# Altium PCB CL-HC-M-V2.1gerber.PcbDoc (part 13 of 16) (continued)
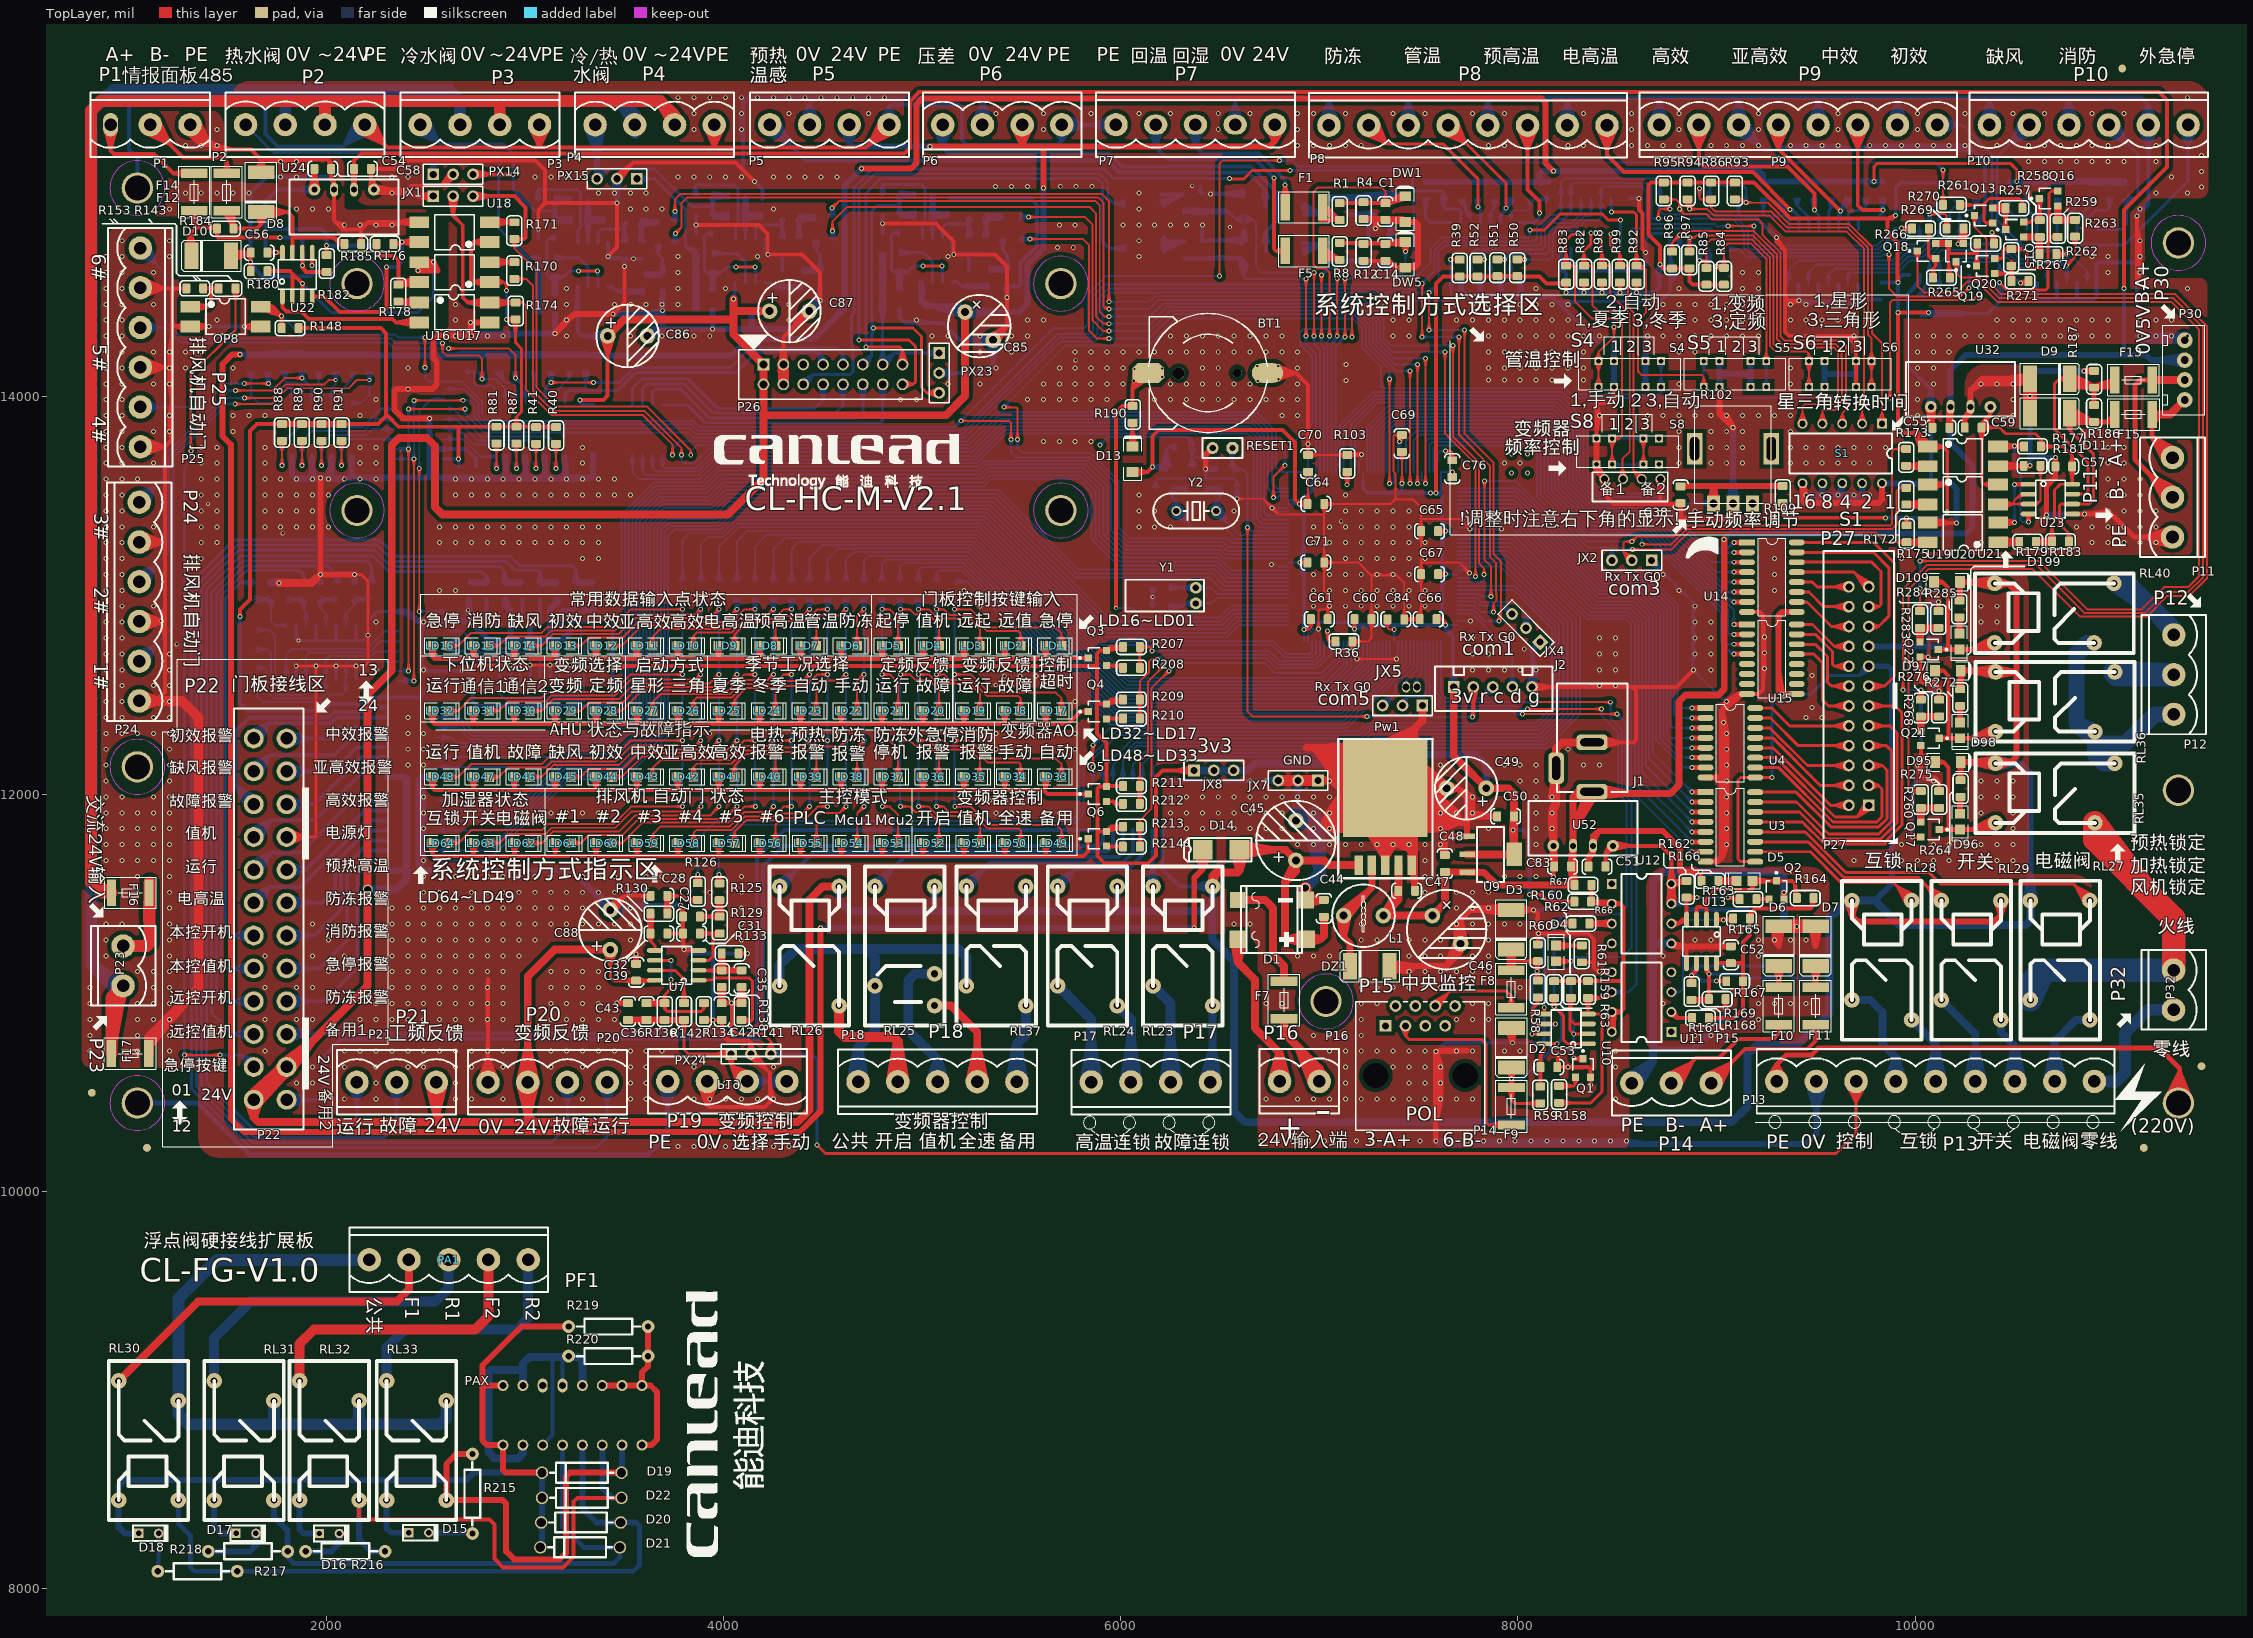
[diagram p0: TopLayer view]
## Nets (pads, with @x,y where several pads share a name; then routed paths per layer and width w, separated by ;. In a path a pad name is that pad's centre, name@x,y a point inside that pad or via, vN(x,y) a via of type N, cw(c..) or ccw(c..) an arc to the next point about the centre after c; other vN are vias at no path point) (continued)
NetR119_1: R119.1 U1.1 | length 705.5
  BottomLayer w15: R119.1@3055.25,14995.93 3063.51,15039.36 ; R119.1@3067.74,14990.36 3063.51,14994.59 3063.51,15039.36 ; R119.1@3067.74,14995.36 3063.51,15039.36 ; R119.1@3079.89,14998.3 3063.51,15039.36 ; U1.1@3267.74,14773.68 3267.74,14839.44 ; U1.1@3267.74,14801.68 3267.74,14839.44 ; 3063.51,15039.36 3068.82,15044.68 3262.68,15044.68 3279.66,15027.69 3279.66,14851.36 3267.74,14839.44
NetR120_1: R120.1 U1.7 | length 472.3
  BottomLayer w15: R120.1@3152.74,14700.17 3273.12,14700.17 3317.74,14655.54 U1.7@3317.74,14553.68 ; R120.1@3153.94,14687.73 3217.74,14700.17 R120.1@3153.94,14712.61 ; U1.7@3317.74,14581.68 3317.74,14638.68
NetR121_1: R121.1 U5.1 | length 705.5
  BottomLayer w15: R121.1@3848.67,15016.79 3856.92,15060.22 ; R121.1@3861.15,15011.22 3856.92,15015.45 3856.92,15060.22 ; R121.1@3861.15,15016.22 3856.92,15060.22 ; R121.1@3873.3,15019.16 3856.92,15060.22 ; U5.1@4061.15,14794.54 4061.15,14860.3 ; U5.1@4061.15,14822.54 4061.15,14860.3 ; 3856.92,15060.22 3862.23,15065.54 4056.09,15065.54 4073.07,15048.55 4073.07,14872.22 4061.15,14860.3
NetR122_1: R122.1 U5.7 | length 472.3
  BottomLayer w15: R122.1@3946.15,14721.03 4066.53,14721.03 4111.15,14676.4 U5.7@4111.15,14574.54 ; R122.1@3947.36,14708.59 4011.15,14721.03 R122.1@3947.36,14733.47 ; U5.7@4111.15,14602.54 4111.15,14659.54
NetR139_1: R139.1 U6.1 | length 705.5
  BottomLayer w15: R139.1@4789.38,15021.5 4797.63,15064.94 ; R139.1@4801.86,15015.93 4797.63,15020.16 4797.63,15064.94 ; R139.1@4801.86,15020.93 4797.63,15064.94 ; R139.1@4814.01,15023.87 4797.63,15064.94 ; U6.1@5001.86,14799.25 5001.86,14865.01 ; U6.1@5001.86,14827.25 5001.86,14865.01 ; 4797.63,15064.94 4802.94,15070.25 4996.8,15070.25 5013.78,15053.26 5013.78,14876.93 5001.86,14865.01
NetR140_1: R140.1 U6.7 | length 472.3
  BottomLayer w15: R140.1@4886.86,14725.74 5007.24,14725.74 5051.86,14681.11 U6.7@5051.86,14579.25 ; R140.1@4888.07,14713.3 4951.86,14725.74 R140.1@4888.07,14738.18 ; U6.7@5051.86,14607.25 5051.86,14664.25
NetR141_1: R141.1 U7.1 | length 705.5
  TopLayer w15: U7.1@3874.97,11063.14 3940.73,11063.14 ; U7.1@3902.97,11063.14 3940.73,11063.14 ; R141.1@4091.65,10863.14 4095.88,10858.9 4140.66,10858.9 ; R141.1@4096.65,10863.14 4140.66,10858.9 ; R141.1@4097.22,10850.65 4140.66,10858.9 ; R141.1@4099.59,10875.29 4140.66,10858.9 ; 3940.73,11063.14 3952.65,11075.06 4128.98,11075.06 4145.97,11058.07 4145.97,10864.22 4140.66,10858.9
NetR142_1: R142.1 U7.7 | length 472.3
  TopLayer w15: U7.7@3654.97,11113.14 3756.84,11113.14 3801.46,11068.51 R142.1@3801.46,10948.14 ; U7.7@3682.97,11113.14 3739.97,11113.14 ; R142.1@3789.02,10949.34 3801.46,11013.14 R142.1@3813.9,10949.34
NetR160_1: R160.1 U12.3 | length 500
  TopLayer w20: R160.1@8359.67,11343.36 8440.48,11338.87 ; R160.1@8359.67,11353.36 8440.48,11357.84 ; U12.3@8471.05,11333.42 8387.38,11348.36 ; U12.3@8471.05,11363.3 8387.38,11348.36 ; U12.3@8472.38,11348.36 R160.1@8359.67,11348.36 ; R160.1@8359.67,11348.36 8387.38,11348.36 ; R160.1@8359.67,11348.36 8387.38,11348.36
NetR161_2: R161.2 U11.2 | length 201.8
  TopLayer w20: U11.2@8763.78,10891.06 8802.74,10872.99 ; U11.2@8772.38,10903.36 8802.74,10872.99 ; U11.2@8784.67,10911.95 8802.74,10872.99 ; R161.2@8875.76,10872.99 8802.74,10872.99
NetR162_2: R162.2 R163.2 U12.6 U13.4 | length 1113.2
  TopLayer w15: R162.2@8849.03,11478.66 v1(8901.93,11478.66) ; R162.2@8854.03,11478.66 v1(8901.93,11478.66) ; R162.2@8855.66,11491.05 v1(8901.93,11478.66) ; R163.2@9113.49,11458.9 9085.41,11471.14 ; R163.2@9113.49,11483.38 9085.41,11471.14 ; R163.2@9116.04,11471.14 9085.41,11471.14 ; v1(8901.93,11478.66) 8855.66,11466.27 v1(8901.93,11478.66) ; v1(9058.44,11478.65) 9077.91,11478.65 ; v1(9058.44,11478.65) 9085.41,11471.14 ; v1(9058.44,11478.65) 9077.91,11478.65 ; 9077.91,11478.65 9085.41,11471.14
  TopLayer w20: U12.6@8772.38,11348.36 8809.03,11348.36 ; U12.6@8775.44,11333.67 8809.03,11348.36 ; U12.6@8775.44,11363.04 8809.03,11348.36 ; U13.4@8849.03,11396.36 R162.2@8849.03,11468.36 ; U13.4@8849.03,11398.66 R162.2@8849.03,11478.66 U13.4@8849.03,11368.36 ; 8809.03,11348.36 8829.03,11368.36 ; 8809.03,11348.36 U13.4@8849.03,11368.36 ; 8829.03,11368.36 U13.4@8849.03,11368.36 ; 8829.03,11368.36 U13.4@8849.03,11368.36
  BottomLayer w15: 8959.43,11478.65 v1(8901.93,11478.66) v1(9058.44,11478.65)
NetR165_1: R165.1 U11.3 U13.1 | length 1170.8
  TopLayer w20: v1(9035.81,11367.31) R165.1@9077.07,11368.36 ; v1(9035.81,11367.31) U13.1@8999.04,11368.36 R165.1@9077.07,11368.36 ; v1(9035.81,11367.31) R165.1@9082.38,11373.66 ; v1(9035.81,11367.31) 9001.83,11368.36 R165.1@9082.38,11373.66 ; R165.1@9077.07,11368.36 R165.1@9082.38,11373.66
  BottomLayer w10: U11.3@8772.38,11003.36 8812.51,11003.36 ; U11.3@8773.62,10993.44 8812.51,11003.36 ; U11.3@8773.62,11013.28 8812.51,11003.36 ; U11.3@8777.36,10983.99 8812.51,11003.36 ; U11.3@8777.36,11022.73 8812.51,11003.36 ; v1@9035.15,11359.84 8993.31,11367.31 v1@9035.15,11374.78 ; v1(9035.81,11367.31) 8859.27,11367.31 8831.6,11339.64 8831.6,11022.45 8812.51,11003.36
NetR170_1: R170.1 U17.2 | length 741.4
  TopLayer w20: U17.2@2823.29,14677.96 2946.98,14677.96 R170.1@2947.38,14678.36 ; U17.2@2845.03,14697.38 R170.1@2932.5,14678.31 ; U17.2@2845.11,14658.55 R170.1@2932.5,14677.96 ; U17.2@2845.11,14697.37 R170.1@2932.5,14677.96 ; U17.2@2845.18,14658.56 R170.1@2932.5,14678.31 ; U17.2@2862.37,14677.96 R170.1@2942.38,14678.36 ; R170.1@2932.5,14677.96 2842.98,14677.96 R170.1@2932.5,14678.31
NetR171_1: R171.1 U18.2 | length 736.3
  TopLayer w20: U18.2@2828.32,14879.56 2947.08,14879.56 R171.1@2947.38,14879.27 ; U18.2@2845.05,14860.15 R171.1@2932.5,14879.31 ; U18.2@2845.11,14860.15 R171.1@2932.5,14879.56 ; U18.2@2845.11,14898.97 R171.1@2932.5,14879.56 ; U18.2@2845.16,14898.97 R171.1@2932.5,14879.31 ; U18.2@2862.37,14879.56 R171.1@2942.38,14879.27 ; R171.1@2932.5,14879.31 2842.98,14879.56 R171.1@2932.5,14879.56
NetR172_1: R172.1 U20.2 | length 700.8
  TopLayer w20: R172.1@9954.8,13457.31 R172.1@9957.69,13460.2 ; U20.2@10039.91,13460.2 R172.1@9959.8,13457.31 ; U20.2@10040.01,13438.94 R172.1@9957.69,13460.2 ; U20.2@10040.16,13477.65 R172.1@9959.8,13457.31 ; U20.2@10040.62,13438.87 R172.1@9959.8,13457.31 ; U20.2@10040.88,13477.73 R172.1@9957.69,13460.2 ; U20.2@10062.38,13458.29 10066.19,13460.2 R172.1@9957.69,13460.2 ; R172.1@9957.69,13460.2 10042.69,13458.29 R172.1@9959.8,13457.31
NetR173_1: R173.1 U21.2 | length 709.8
  TopLayer w20: U21.2@10039.44,13653.1 R173.1@9959.44,13653.1 ; U21.2@10039.74,13630.96 R173.1@9959.44,13653.1 ; U21.2@10039.91,13630.93 R173.1@9954.44,13653.1 ; U21.2@10041.06,13669.72 R173.1@9959.44,13653.1 ; U21.2@10041.15,13669.73 R173.1@9954.44,13653.1 ; U21.2@10062.38,13650.26 10065.34,13653.1 R173.1@9954.44,13653.1 ; R173.1@9954.44,13653.1 10042.69,13650.26 R173.1@9959.44,13653.1
NetR176_2: R176.2 U18.4 U22.4 | length 1242.9
  TopLayer w20: U22.4@1929.78,14505.9 1988.96,14505.9 2068.41,14426.45 2283.69,14426.45 2304.32,14447.08 v1(2304.32,14654.07) ; U18.4@2446.47,14760.24 v1(2381.29,14779.56) ; U18.4@2446.47,14798.89 v1(2381.29,14779.56) ; U18.4@2448.96,14779.56 v1(2381.29,14779.56) ; U18.4@2449.28,14779.56 v1(2381.29,14779.56) ; v1(2381.29,14779.56) 2371.66,14769.93 R176.2@2338.82,14769.93 v1(2381.29,14779.56)
  BottomLayer w20: v1(2304.32,14654.07) 2352.79,14654.07 2378.34,14679.62 2378.34,14774.24 v1(2381.29,14779.56) 2378.34,14706.61
NetR177_2: R177.2 U21.4 U23.4 | length 2713.3
  TopLayer w10: U21.4@10416.71,13750.26 10416.97,13753.1 v1(10500.41,13753.1) ; U21.4@10436.39,13750.26 v1@10495.93,13753.1 ; U21.4@10437.47,13764.75 v1@10495.93,13753.1 ; U21.4@10438.84,13735.94 v1@10495.93,13753.1 ; U21.4@10440.29,13774.48 v1@10495.93,13753.1 ; U21.4@10442.57,13726.53 v1@10495.93,13753.1 ; v1@10496.8,13759.67 U21.4@10460.25,13735.33 ; v1@10497.38,13746.24 U21.4@10459.37,13767.15 ; v1@10497.85,13760.14 U21.4@10458.83,13741.95 ; v1@10498.33,13745.89 10540.9,13737.49 v1@10503.7,13759.83 ; v1@10498.45,13745.86 U21.4@10458.32,13760.59 ; v1@10499.06,13760.47 10541.83,13764.51 v1@10503.03,13746.07 ; v1@10499.43,13760.53 U21.4@10457.93,13751.29 ; v1@10499.75,13745.62 10457.91,13753.1 v1@10499.75,13760.57 ; v1@10500.07,13745.6 U21.4@10457.93,13751.29 ; v1@10500.7,13745.6 10542.87,13750.99 v1@10501.44,13760.52 ; v1@10501.07,13745.62 10542.91,13753.1 10501.07,13760.57 U21.4@10458.32,13760.59 ; v1@10501.71,13745.71 U21.4@10458.83,13741.95 ; v1@10502.22,13760.37 U21.4@10459.37,13767.15 ; v1@10502.85,13746 U21.4@10460.25,13735.33 ; R177.2@10544.56,13736.08 v1(10500.41,13753.1) ; R177.2@10546.02,13765.67 v1(10500.41,13753.1) ; v1@10562.93,13368.78 U23.4@10563.83,13409.57 ; v1@10562.94,13370 U23.4@10570.41,13409.7 ; v1@10562.95,13370.07 U23.4@10570.81,13410.1 ; v1@10563.19,13371.33 U23.4@10577.78,13409.43 ; v1@10577.67,13371.19 U23.4@10563.83,13409.57 ; v1@10577.88,13368.64 U23.4@10577.78,13409.43 ; v1@10577.89,13369.92 U23.4@10570.81,13410.1 ; v1@10577.88,13370 U23.4@10570.41,13409.7 ; U21.4@10457.93,13751.29 v1(10500.41,13753.1) ; U21.4@10458.32,13760.59 v1(10500.41,13753.1) ; U21.4@10458.83,13741.95 v1(10500.41,13753.1) ; U21.4@10459.37,13767.15 v1(10500.41,13753.1) ; U21.4@10460.25,13735.33 v1(10500.41,13753.1) ; v1(10500.41,13753.1) 10545.33,13753.1 R177.2@10547.67,13750.76 v1(10500.41,13753.1) ; U23.4@10563.83,13409.57 v1(10570.41,13369.31) ; v1(10570.41,13369.31) U23.4@10570.41,13409.7 ; v1(10570.41,13369.31) U23.4@10577.78,13409.43 ; v1(10570.41,13369.31) U23.4@10570.81,13410.1 ; U23.4@10570.41,13409.7 U23.4@10570.81,13410.1
  BottomLayer w10: v1@10492.94,13752.43 10500.41,13710.6 v1@10507.88,13752.43 ; v1(10500.41,13753.1) 10500.41,13634.31 10530.41,13604.31 10530.41,13379.31 10540.41,13369.31 ; v1@10569.47,13361.87 10540.41,13369.31 ; v1@10569.47,13376.75 10540.41,13369.31 ; v1(10570.41,13369.31) 10540.41,13369.31
NetR178_1: R178.1 U16.1 | length 611.6
  TopLayer w20: U16.1@2445.63,14455.58 R178.1@2368.32,14480.18 ; U16.1@2446.42,14455.44 R178.1@2382.53,14474.76 ; U16.1@2446.42,14494.08 R178.1@2382.53,14474.76 ; U16.1@2448.22,14494.26 R178.1@2368.32,14480.18 ; U16.1@2449.65,14474.76 R178.1@2368.32,14480.18 ; U16.1@2468.96,14474.76 R178.1@2382.53,14474.76 ; R178.1@2368.32,14480.18 2449.27,14474.76 R178.1@2382.53,14474.76
NetR179_1: R179.1 U19.1 | length 1207.9
  TopLayer w15: U19.1@10416.97,13268.09 10521.68,13268.09 R179.1@10523.81,13270.23 U19.1@10458.73,13268.09 ; U19.1@10436.29,13290.12 R179.1@10512.43,13280.39 ; U19.1@10437.38,13246.08 R179.1@10511.91,13259.54 ; U19.1@10439.41,13289.95 R179.1@10511.22,13269.81 ; U19.1@10439.91,13246.31 R179.1@10511.18,13268.09 ; U19.1@10439.91,13289.88 R179.1@10511.18,13268.09 ; U19.1@10440.41,13246.39 R179.1@10511.22,13269.81 ; U19.1@10442.3,13289.39 R179.1@10511.91,13259.54 ; U19.1@10443.27,13247.08 R179.1@10512.43,13280.39 ; R179.1@10522.21,13282.62 U19.1@10458.73,13268.09 ; R179.1@10523.02,13257.75 U19.1@10458.73,13268.09 ; U19.1@10436.66,13268.09 R179.1@10511.18,13268.09 ; U19.1@10436.66,13268.09 R179.1@10511.91,13259.54 ; U19.1@10436.66,13268.09 R179.1@10512.43,13280.39 ; U19.1@10436.66,13268.09 R179.1@10511.22,13269.81
NetR179_2: 
NetR180_2: R180.2 U17.3 U22.2 U22.3 | length 2137.1
  TopLayer w20: R180.2@1705.38,14632.63 1816.83,14632.63 1829.78,14619.69 ; U22.2@1829.78,14505.9 1829.78,14619.69 ; U22.2@1829.78,14533.9 1829.78,14605.9 ; U17.3@2468.96,14677.96 v1(2541.15,14677.96) ; U17.3@2488.65,14677.96 v1(2541.15,14677.96) ; U17.3@2492.28,14658.78 v1(2541.15,14677.96) ; U17.3@2492.28,14697.15 v1(2541.15,14677.96) ; 1829.78,14619.69 v1@1879.78,14569.69 ; 1829.78,14619.69 v1(1879.73,14570.81) ; v1(1879.73,14570.81) U22.3@1879.78,14505.9 v1@1879.78,14569.69 ; v1(1879.73,14570.81) 1879.78,14533.9 v1@1879.78,14569.69
  TopLayer w30: U17.3@2468.96,14677.96 v1(2462.81,14636.46) 2560.36,14636.46 ; 2560.36,14636.46 2488.65,14677.96 v1(2541.15,14677.96) 2560.36,14636.46
  BottomLayer w15: v1@1879.78,14569.69 v1(1879.73,14570.81) 2025.83,14424.71 2460.78,14424.71 2541.15,14505.08 v1(2541.15,14677.96)
NetR181_2: R181.2 U20.3 U23.2 U23.3 | length 1494
  TopLayer w10: U20.3@10416.71,13458.29 10420.52,13460.2 10497.81,13460.2 ; U20.3@10436.39,13458.29 10495.92,13460.2 ; U20.3@10437.7,13472.76 10495.92,13460.2 ; U20.3@10438.62,13443.93 10495.92,13460.2 ; U20.3@10440.67,13482.44 10495.92,13460.2 ; U20.3@10442.21,13434.46 10495.92,13460.2 ; U23.2@10538.54,13515.64 10505.67,13485.89 ; U23.3@10542.21,13453.13 10500.81,13460.2 ; U23.3@10542.25,13467.08 10500.81,13460.2 ; U23.3@10542.81,13460.1 10500.81,13460.2 ; U23.2@10546.16,13503.95 10505.67,13485.89 ; U23.2@10570.81,13510.1 10529.88,13510.1 ; U23.3@10596.28,13466.63 10631.43,13476.5 ; U23.3@10602.54,13454.18 10631.43,13476.5 ; R181.2@10616.6,13645.81 10631.43,13598.06 ; R181.2@10631.43,13648.06 10631.43,13598.06 ; R181.2@10631.43,13653.06 10631.43,13476.5 ; R181.2@10646.26,13645.81 10631.43,13598.06 ; 10497.81,13460.2 10497.81,13478.03 10529.88,13510.1 ; 10497.81,13460.2 10570.71,13460.2 U23.3@10570.81,13460.1 10615.03,13460.1 ; 10505.67,13485.89 U23.2@10542.81,13510.1 ; 10529.88,13510.1 10540.92,13503.36 10529.88,13510.1 ; 10529.88,13510.1 10540.92,13516.84 10529.88,13510.1 ; 10529.88,13510.1 U23.2@10542.81,13510.1 ; 10529.88,13510.1 U23.2@10542.81,13510.1 ; U23.3@10598.81,13460.1 10631.43,13476.5 ; U23.3@10598.81,13460.1 10615.03,13460.1 ; U23.3@10598.81,13460.1 10615.03,13460.1 ; 10615.03,13460.1 10631.43,13476.5 ; 10615.03,13460.1 10600.32,13466.93 10615.03,13460.1 ; 10615.03,13460.1 10600.32,13453.26 10615.03,13460.1
NetRL34_5: 
NetU1X_2: 
NetU1X_4: 
NetU16_2: U16.2 U22.1 | length 1060.1
  TopLayer w20: U22.1@1779.78,14477.9 1779.78,14449.79 ; U22.1@1779.78,14505.9 1779.78,14449.79 ; U16.2@2447.14,14355.35 2359.75,14374.76 ; U16.2@2447.14,14394.17 2359.75,14374.76 ; U16.2@2449.27,14374.76 2359.75,14374.76 ; U16.2@2456,14374.76 2352.05,14374.76 2333.7,14393.11 1912.36,14393.11 1875.51,14429.96 1799.61,14429.96 1779.78,14449.79
NetU19_2: U19.2 U23.1 | length 2262.6
  TopLayer w10: U19.2@10416.97,13368.09 v1(10499.76,13368.09) ; U19.2@10436.66,13368.09 v1@10496.18,13368.09 ; U19.2@10438.43,13353.67 v1@10496.18,13368.09 ; U19.2@10438.43,13382.51 v1@10496.18,13368.09 ; U19.2@10441.71,13344.09 v1@10496.18,13368.09 ; U19.2@10441.71,13392.09 v1@10496.18,13368.09 ; v1@10496.38,13361.4 U19.2@10459.29,13384.35 ; v1@10496.38,13374.79 U19.2@10459.29,13351.84 ; v1@10497.46,13360.96 U19.2@10457.96,13377.64 ; v1@10497.46,13375.23 U19.2@10457.96,13358.55 ; v1@10499.82,13566.74 U23.1@10542.22,13567.07 ; v1@10500.11,13551.79 U23.1@10542.22,13553.12 ; v1@10500.78,13360.66 U19.2@10457.96,13358.55 ; v1@10500.78,13375.52 U19.2@10457.96,13377.64 ; v1@10501.95,13360.92 U19.2@10459.29,13351.84 ; v1@10501.95,13375.27 U19.2@10459.29,13384.35 ; v1@10502.29,13566.57 U23.1@10542.22,13553.12 ; v1@10502.57,13552.06 U23.1@10542.22,13567.07 ; U23.1@10570.81,13560.1 v1@10501.36,13560.1 ; U19.2@10457.26,13368.09 10499.1,13360.62 U19.2@10457.26,13368.09 ; U19.2@10457.26,13368.09 10499.1,13375.56 U19.2@10457.26,13368.09 ; U19.2@10457.26,13368.09 v1(10499.76,13368.09) ; U19.2@10457.96,13358.55 v1(10499.76,13368.09) ; U19.2@10457.96,13377.64 v1(10499.76,13368.09) ; U19.2@10459.29,13351.84 v1(10499.76,13368.09) ; U19.2@10459.29,13384.35 v1(10499.76,13368.09) ; v1(10500.54,13559.28) v1@10501.36,13560.1 ; v1(10500.54,13559.28) U23.1@10542.22,13553.12 ; v1(10500.54,13559.28) U23.1@10542.22,13567.07 ; v1(10500.54,13559.28) U23.1@10542.81,13560.1 ; v1(10500.54,13559.28) U23.1@10543.06,13560.1 ; v1@10501.36,13560.1 U23.1@10542.22,13553.12 ; v1@10501.36,13560.1 U23.1@10542.22,13567.07 ; v1@10501.36,13560.1 U23.1@10542.81,13560.1 ; U23.1@10542.81,13560.1 10501.06,13566.76 U23.1@10543.06,13560.1 ; U23.1@10542.81,13560.1 10501.35,13551.82 U23.1@10543.06,13560.1
  BottomLayer w10: v1@10492.3,13368.89 10500.54,13410.62 ; v1@10493.07,13558.62 10500.54,13516.78 ; v1@10507.24,13368.62 10500.54,13410.62 ; v1@10508.01,13558.62 10500.54,13516.78 ; 10500.54,13410.62 v1(10499.76,13368.09) 10499.76,13367.48 10500.54,13368.26 v1(10500.54,13559.28) 10500.54,13516.78
PE: P2.1 P3.1 P4.1 P5.1 P6.1 P7.5 P13.1 P19.1 pad.0@1049.3,10444.81 pad.0@1049.3,12137.73 pad.0@1049.3,15051.11 pad.0@2155.43,13428.12 pad.0@2155.43,14569.85 pad.0@5698.74,13428.12 pad.0@5698.74,14569.85 pad.0@7033.56,10956.63 pad.0@11324.89,10444.81 pad.0@11324.89,12019.62 pad.0@11324.89,14775.52 | length 18300.5
  TopLayer w20: P2.1@2165.83,15330.56 2295.56,15269.19 ; P2.1@2175.72,15348.15 2295.56,15269.19 ; P2.1@2194.08,15370.67 2310.44,15254.3 3079.13,15254.3 ; P2.1@2216.6,15389.03 2295.56,15269.19 ; P2.1@2234.18,15398.92 2295.56,15269.19 ; P3.1@3026.15,15359.85 3074,15259.43 ; P3.1@3045.19,15366.87 3074,15259.43 ; P3.1@3102.81,15366.87 3074,15259.43 ; P3.1@3121.85,15359.85 3074,15259.43 ; P4.1@3906.07,15358.55 3953.92,15258 ; P4.1@3925.11,15365.57 3953.92,15258 ; P4.1@3982.73,15365.57 3953.92,15258 ; P4.1@4001.77,15358.55 3953.92,15258 ; P5.1@4793.74,15398.92 4732.36,15269.19 ; P5.1@4811.32,15389.03 4732.36,15269.19 ; P5.1@4833.84,15370.67 4717.48,15254.3 3957.61,15254.3 ; P5.1@4852.2,15348.15 4732.36,15269.19 ; P5.1@4862.09,15330.56 4732.36,15269.19 ; 3074,15259.43 P3.1@3074,15370.67 3074,15259.43 ; 3074,15259.43 3079.13,15254.3 ; 3079.13,15254.3 3957.61,15254.3 ; 3953.92,15258 P4.1@3953.92,15369.36 3953.92,15258 ; 3953.92,15258 3957.61,15254.3
  TopLayer w25: P13.1@9257.43,10566.39 9302.22,10638.82 ; P13.1@9280.83,10556.39 9302.22,10638.82 ; P13.1@9302.22,10553.66 9302.22,10638.82 ; P13.1@9323.6,10556.39 9302.22,10638.82 ; P13.1@9347,10566.39 9302.22,10638.82 ; pad.0@11260.9,10461.92 11331.73,10598.65 ; pad.0@11284.31,10452.14 11331.73,10598.65 ; pad.0@11308.73,10446.39 11331.73,10598.65 ; pad.0@11341.13,10444.95 11331.73,10598.65 ; pad.0@11365.97,10448.52 11331.73,10598.65 ; pad.0@11390.15,10456.18 11331.73,10598.65 ; 9302.22,10638.82 9349.06,10685.66 9475.86,10685.66 9512.18,10721.98 11228.78,10721.98 11331.73,10619.03 11331.73,10451.65 pad.0@11324.89,10444.81 11331.73,10598.65
  BottomLayer w20: pad.0@1049.3,15051.11 1049.3,15204.58 1008.14,15245.75 1008.14,15460.84 1038.98,15491.68 1650.18,15491.68 1694.11,15447.76 1694.11,15323.46 1755.79,15261.78 2085.19,15261.78 P2.1@2194.08,15370.67 ; P2.1@2153.97,15398.92 2092.6,15269.19 ; P2.1@2171.56,15389.03 2092.6,15269.19 ; P2.1@2212.44,15348.15 2092.6,15269.19 ; P2.1@2222.33,15330.56 2092.6,15269.19 ; P5.1@4786.74,15384.38 4833.84,15458.38 ; P5.1@4805.19,15375.48 4833.84,15458.38 ; P5.1@4833.84,15370.67 4833.84,15458.38 ; P5.1@4862.49,15375.48 4833.84,15458.38 ; P5.1@4880.94,15384.38 4833.84,15458.38 ; P6.1@5657.3,15354.1 5703.92,15290.46 ; P6.1@5675.36,15364.01 5703.92,15290.46 ; P6.1@5707.46,15340.52 5822.97,15369.36 ; P6.1@5707.46,15398.19 5822.97,15369.36 ; P6.1@5714.03,15321.35 5822.97,15369.36 ; P6.1@5714.03,15417.36 5822.97,15369.36 ; P6.1@5732.48,15364.01 5703.92,15290.46 ; P6.1@5750.54,15354.1 5703.92,15290.46 ; P7.5@5965.73,15418.56 5857.3,15369.36 ; P7.5@5966.79,15322.56 5857.3,15369.36 ; P7.5@5972.5,15399.46 5857.3,15369.36 ; P7.5@5973.13,15341.79 5857.3,15369.36 ; 4833.84,15458.38 4847.67,15472.22 5185.57,15472.22 5201.04,15456.75 5201.04,15292.21 5224.22,15269.04 5682.5,15269.04 5703.92,15290.46 ; 5703.92,15290.46 P6.1@5703.92,15369.36 5975.05,15369.36 P7.5@5976.36,15370.67 5857.3,15369.36
  BottomLayer w25: pad.0@1049.3,10444.81 1353.93,10444.81 1614.61,10184.14 3619.4,10184.14 3719.56,10284.3 P19.1@3719.56,10553.66 ; P19.1@3673.71,10545.58 3719.56,10419.61 ; P19.1@3698.07,10551.93 3719.56,10419.61 ; P19.1@3741.04,10551.93 3719.56,10419.61 ; P19.1@3765.4,10545.58 3719.56,10419.61
PLD_165: U2.1 U28.1 U29.1 U30.1 U31.1 U33.103 | length 15802.1
  TopLayer w10: v3@2433.66,12571.16 2441.13,12613 v3@2448.6,12571.16 ; v1@2433.66,13687.64 2441.13,13645.8 ; v3(2441.13,12570.5) v1(2441.13,13688.3) 2441.13,13645.8 ; v1@2441.79,13990.09 2483.69,13982.93 ; v1@2441.9,13975.15 2483.69,13982.93 ; v1@2448.6,13687.64 2441.13,13645.8 ; v1@2688.95,13975.46 2647.11,13982.93 v1@2688.95,13990.4 ; v1(2689.61,13982.93) 2440.88,13982.93 v1(2441.19,13982.62) 2483.69,13982.93 ; v3@7510.59,14301.93 7518.06,14343.77 v3@7525.53,14301.93 ; v3@7510.75,14571.24 7518.06,14529.37 ; v3(7518.06,14301.27) v3@7518.06,14572.04 ; v3(7518.22,14571.87) 7518.06,14529.37 ; v3@7525.69,14571.18 7518.06,14529.37 ; v3@7695.68,14300.61 7703.15,14258.77 ; v3@7710.62,14300.61 7703.15,14258.77 ; v3@7870.6,12918.25 7878.07,12960.09 v3@7885.54,12918.25 ; v3(7878.07,12917.59) 7878.07,12961.02 7890.82,12973.77 7890.82,13007.1 7890.39,13007.53 7890.39,13163.39 7859.14,13194.64 7859.14,13654.37 7703.15,13810.36 v3(7703.15,14301.27) 7703.15,14258.77
  BottomLayer w10: U28.1@2342.69,13688.36 2441.19,13688.36 v1(2441.19,13982.62) 2441.19,13940.12 ; U2.1@2362.38,12570.5 v3(2441.13,12570.5) ; U28.1@2367.69,13688.36 2412.69,13688.36 ; U28.1@2368.8,13678.42 2412.69,13688.36 ; U28.1@2368.8,13698.3 2412.69,13688.36 ; U2.1@2387.38,12570.5 v3@2432.38,12570.5 ; U2.1@2388.49,12560.56 v3@2432.38,12570.5 ; U2.1@2388.49,12580.44 v3@2432.38,12570.5 ; v1@2433.66,13688.97 2441.19,13730.8 ; v1@2433.72,13981.96 2441.19,13940.12 ; v3@2439.17,12563.26 U2.1@2398.8,12578.1 ; v3@2439.17,12577.74 U2.1@2398.8,12562.9 ; v1@2440.46,13680.83 2398.63,13688.36 ; v1@2440.48,13695.78 2398.63,13688.36 ; v3@2441.81,12563.03 U2.1@2398.8,12562.9 ; v3@2441.81,12577.97 U2.1@2398.8,12578.1 ; v1@2448.6,13688.96 2441.19,13730.8 ; v1@2448.66,13981.96 2441.19,13940.12 ; v1(2689.61,13982.93) 2721.83,13982.93 ; v1@2690.48,13975.48 2721.83,13982.93 ; v1@2690.48,13990.38 2721.83,13982.93 ; v3@7512.43,14576.63 7490.97,14544.62 ; v3@7513.35,14577.57 7551.94,14605.58 v3@7523.93,14567 ; v3(7518.06,14301.27) v3(7703.15,14301.27) 7660.65,14301.27 ; v3@7518.72,14293.8 7560.56,14301.27 v3@7518.72,14308.74 ; v3@7522.99,14566.08 7490.97,14544.62 ; U33.103@7695.61,12949.35 7780.95,12949.35 7812.72,12917.59 v3(7878.07,12917.59) 7835.57,12917.59 ; v3@7702.49,14293.8 7660.65,14301.27 ; v3@7702.49,14308.74 7660.65,14301.27 ; U33.103@7725.86,12949.35 7760.61,12949.35 ; v3@7877.41,12910.12 7835.57,12917.59 ; v3@7877.41,12925.06 7835.57,12917.59 ; U29.1@8207.44,14972.2 8217.38,14930.17 ; U29.1@8207.44,15024.47 8217.38,15068.36 ; U29.1@8217.38,14973.36 8217.38,14930.17 ; U29.1@8217.38,15023.36 8217.38,15068.36 ; U29.1@8227.31,14972.2 8217.38,14930.17 ; U29.1@8227.31,15024.47 8217.38,15068.36 ; U30.1@8704.44,15020.53 8714.38,15064.42 ; U30.1@8704.5,14967.87 8714.38,14937.14 ; U30.1@8714.38,14969.42 8714.38,14937.14 ; U30.1@8714.38,15019.42 8714.38,15064.42 ; U30.1@8724.26,14967.87 8714.38,14937.14 ; U30.1@8724.32,15020.53 8714.38,15064.42 ; U31.1@9961.72,14837.18 9971.61,14804.14 ; U31.1@9971.61,14838.63 9971.61,14804.14 ; U31.1@9971.61,14863.63 9971.61,14804.14 ; U31.1@9981.51,14837.18 9971.61,14804.14 ; U2.1@2398.63,12570.5 2440.47,12563.03 U2.1@2398.63,12570.5 ; U2.1@2398.63,12570.5 2440.47,12577.97 U2.1@2398.63,12570.5 ; U2.1@2398.63,12570.5 v3(2441.13,12570.5) ; U2.1@2398.63,12570.5 v3(2441.13,12570.5) ; 2398.63,13688.36 v1(2441.13,13688.3) 2441.19,13730.8 ; U2.1@2398.8,12562.9 v3(2441.13,12570.5) ; U2.1@2398.8,12578.1 v3(2441.13,12570.5) ; 2721.83,13982.93 2746.91,13957.84 2746.91,13896.53 2803.41,13840.04 3832.68,13840.04 3859.54,13813.18 5205.85,13813.18 5690.73,14298.06 5860.76,14298.06 5884.15,14321.44 5884.15,14491.48 5937.29,14544.62 7490.97,14544.62 ; 7490.97,14544.62 v3(7518.22,14571.87) ; 7490.97,14544.62 v3(7518.22,14571.87) ; v3(7518.22,14571.87) 7580.03,14633.67 7580.03,14737.31 7625.74,14783.03 8081.01,14783.03 8095.11,14797.12 8095.11,14853.76 8156.76,14915.42 8202.62,14915.42 8217.38,14930.17 ; 8217.38,14930.17 U29.1@8217.38,14998.36 8217.38,15085.36 8231.39,15099.37 8706.84,15099.37 8714.38,15091.83 8714.38,14937.14 ; 8714.38,14937.14 8732.88,14918.64 9081.37,14918.64 9157.1,14842.91 9157.1,14755.39 9169.62,14742.87 9814.64,14742.87 9858.57,14786.81 9954.28,14786.81 9971.61,14804.14
POL_A2: F9.1 P14.3 | length 1309.2
  TopLayer w15: P14.3@7412.19,10828.87 7433.69,10783.04 ; P14.3@7433.69,10833.66 7433.69,10783.04 ; P14.3@7455.19,10828.87 7433.69,10783.04 ; F9.1@7922.17,10318.37 7855.45,10334.38 ; F9.1@7922.17,10350.39 7855.45,10334.38 ; F9.1@7924.07,10334.38 7855.45,10334.38 ; F9.1@7967.38,10334.38 7852.35,10334.38 7840.38,10346.36 7840.38,10742.36 7818.38,10764.36 7452.38,10764.36 7433.69,10783.04
POL_B2: F8.1 P14.6 | length 776.9
  TopLayer w15: P14.6@7570.22,10951.09 7645.04,10995.01 P14.6@7601.12,10920.19 ; P14.6@7583.69,10933.66 7659.37,11009.34 7940.48,11009.34 7966.46,10983.36 ; F8.1@7950.49,10926.05 7966.46,10983.36 ; F8.1@7966.46,10923.87 7966.46,10983.36 ; F8.1@7982.44,10926.05 7966.46,10983.36
PWM1-T8C3: R125.1 U33.98 | length 6452
  TopLayer w10: R125.1@3965.38,11552.92 v1(3978.65,11595.95) ; v1@3971.2,11595.03 3980.16,11553.47 v1@3986.14,11595.56 ; v1@3971.18,11595.29 3978.65,11553.45 v1@3986.12,11595.29 ; v1@3971.31,11597.53 3965.96,11554.78 v1@3985.59,11593.13 ; v1@3971.92,11592.65 3994.36,11555.49 v1@3985.85,11598.05 ; R125.1@3994.94,11553.98 v1(3978.65,11595.95) ; v1(3978.65,11595.95) 3978.65,11552.56 R125.1@3980.25,11550.95 v1(3978.65,11595.95)
  BottomLayer w10: v1@3971.18,11596.62 3978.65,11638.45 ; v1@3986.12,11596.62 3978.65,11638.45 ; U33.98@7695.61,13047.78 7983,13047.78 8189.4,12841.38 8189.4,12429.61 8099.73,12339.94 7246.38,12339.94 7203.41,12296.97 5981.63,12296.97 5811.64,12126.98 5811.64,11900.09 5757.41,11845.86 4081.82,11845.86 3978.65,11742.68 v1(3978.65,11595.95) 3978.65,11638.45 ; U33.98@7725.86,13047.78 7760.61,13047.78
PWM2-T8C4: R126.1 U33.99 | length 6523.1
  TopLayer w10: R126.1@3856.06,11555.07 v1(3870.71,11595.95) ; v1@3863.24,11595.27 3870.84,11553.45 3878.18,11595.32 3870.71,11553.45 v1@3863.23,11595.29 ; v1@3863.45,11597.86 3856.11,11555.21 v1@3877.52,11592.82 ; v1@3863.91,11592.78 3885.57,11555.28 v1@3877.95,11597.91 ; R126.1@3885.61,11555.16 v1(3870.71,11595.95) ; v1(3870.71,11595.95) 3870.71,11552.66 R126.1@3870.84,11552.52 v1(3870.71,11595.95)
  BottomLayer w10: v1@3863.23,11596.62 3870.71,11638.45 ; v1@3870.71,11590.35 3870.71,11772.12 3962.44,11863.86 5749.95,11863.86 5793.64,11907.55 5793.64,12134.44 5974.17,12314.97 7195.95,12314.97 7238.92,12357.94 8092.27,12357.94 8171.4,12437.07 8171.4,12833.92 7977.23,13028.09 U33.99@7695.61,13028.09 ; v1(3870.71,11595.95) 3870.71,11638.45 ; v1@3878.18,11596.62 3870.71,11638.45 ; U33.99@7725.86,13028.09 7760.61,13028.09